# Altium PCB LOAPAY_V6.6.8.PcbDoc (part 2 of 2)
Units mm, origin at the board's own origin, x right, y up, seen from the top; angles counter-clockwise.
Board outline 78.36 x 56.26 mm, 4 copper layers (Top Layer, Layer 1, Layer 2, Bottom Layer), stack 1.021 mm thick; 204 components, 119 nets, 643 pads, 539 vias.
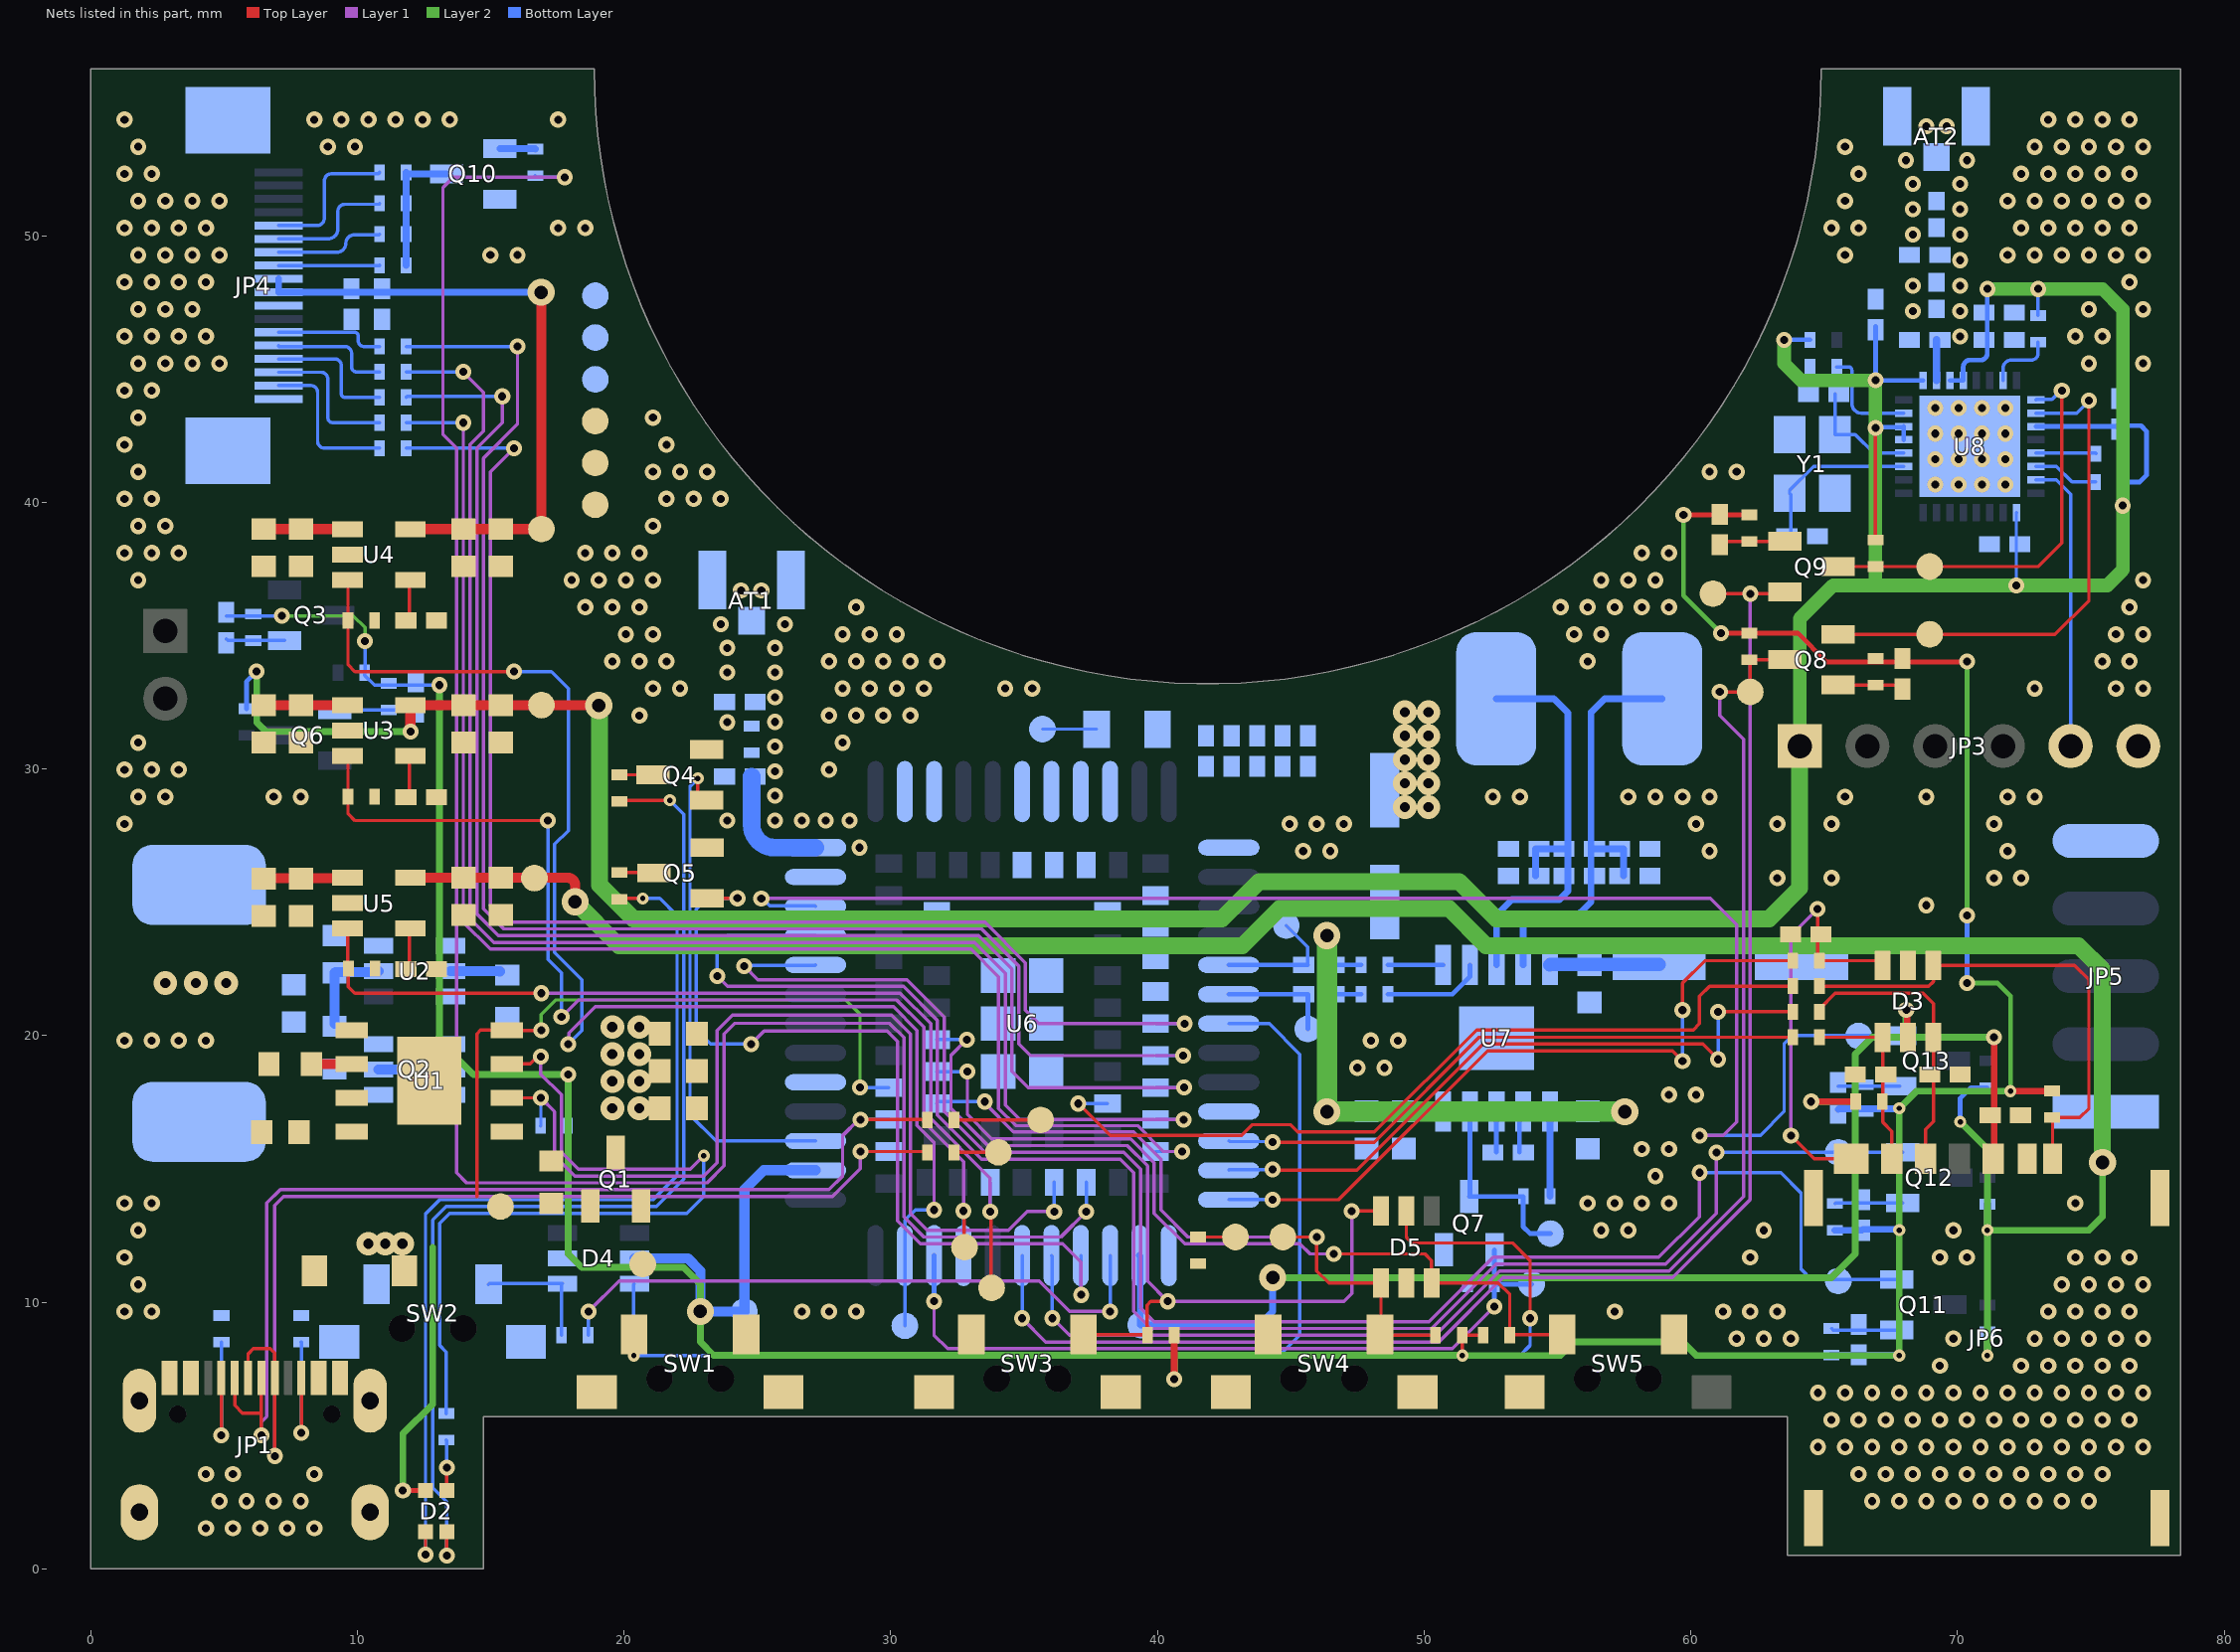
[diagram p4: the nets of this part, all layers, seen from the top]

## Via types
v1: diameter 0.61, hole 0.305, Top Layer to Bottom Layer, tented both sides, 342 vias
v2: diameter 0.6, hole 0.3, Top Layer to Bottom Layer, tented both sides, 151 vias
v3: diameter 0.889, hole 0.381, Top Layer to Bottom Layer, tented both sides, 24 vias
v4: diameter 0.45, hole 0.2, Top Layer to Bottom Layer, tented both sides, 13 vias
v5: diameter 1.016, hole 0.508, Top Layer to Bottom Layer, tented both sides, 9 vias

## Nets (pads, with @x,y where several pads share a name; then routed paths per layer and width w, separated by ;. In a path a pad name is that pad's centre, name@x,y a point inside that pad or via, vN(x,y) a via of type N, cw(c..) or ccw(c..) an arc to the next point about the centre after c; other vN are vias at no path point) (continued)
GND: AT1.2 AT2.2 C1.1 C3.1 C4.1 C5.1 C7.1 C8.1 C9.1 C10.1 C11.1 C12.1 C13.1 C14.1 C15.1 C16.1 C17.1 C18.1 C19.1 C20.1 C21.1 C22.1 C23.1 C24.1 C25.1 C26.1 C27.2 C28.1 C29.1 C32.1 C33.2 C34.2 C35.2 C38.1 C39.1 C40.1 C44.1 C45.1 C46.2 C47.2 C48.1 C49.1 C50.1 C52.1 C53.1 C55.1 C56.1 C57.1 C58.1 C62.2 C63.1 C64.1 C65.1 D3.2 D4.2 D5.2 JP1.A1 JP1.S1 JP3.6 JP4.1 JP4.8 JP4.19 JP4.20 JP5.5 JP6.1 JP6.2 JP6.3 JP6.4 JP6.C5 Q2.1 Q4.2 Q5.2 Q7.2 Q10.2 R2.1 R3.1 R4.1 R5.1 R6.1 R7.1 R8.1 R9.1 R24.2 R25.2 R33.1 R59.1 SW1.1 SW1.3 SW1.4 SW2.1 SW2.3 SW2.4 SW3.2 SW3.3 SW3.4 SW4.2 SW4.3 SW4.4 SW5.1 SW5.4 TP6.1 TP7.1 TP8.1 TP9.1 TP10.1 TP11.1 U1.1 U1.3 U1.9 U3.2 U4.2 U5.2 U6.1 U6.10 U6.27 U6.34 U6.36 U6.37 U6.40 U6.41 U6.45 U6.46 U6.47 U6.48 U6.70 U6.71 U6.72 U6.73 U6.88 U6.89 U6.90 U6.91 U6.92 U6.93 U6.94 U6.95 U7.11 U8.33 Y1.2 Y1.4
  other v1: 4.318,1.524 5.334,1.524 6.35,1.524 7.366,1.524 8.382,1.524 4.826,2.54 5.842,2.54 6.858,2.54 7.874,2.54 66.802,2.54 67.818,2.54 68.834,2.54 69.85,2.54 70.866,2.54 71.882,2.54 72.898,2.54 73.914,2.54 74.93,2.54 4.318,3.556 5.334,3.556 8.382,3.556 66.294,3.556 67.31,3.556 68.326,3.556 69.342,3.556 70.358,3.556 71.374,3.556 72.39,3.556 73.406,3.556 74.422,3.556 75.438,3.556 64.77,4.572 65.786,4.572 66.802,4.572 67.818,4.572 68.834,4.572 69.85,4.572 70.866,4.572 71.882,4.572 72.898,4.572 73.914,4.572 74.93,4.572 75.946,4.572 76.962,4.572 65.278,5.588 66.294,5.588 67.31,5.588 68.326,5.588 69.342,5.588 70.358,5.588 71.374,5.588 72.39,5.588 73.406,5.588 74.422,5.588 75.438,5.588 76.454,5.588 64.77,6.604 65.786,6.604 66.802,6.604 67.818,6.604 68.834,6.604 69.85,6.604 70.866,6.604 71.882,6.604 72.898,6.604 73.914,6.604 74.93,6.604 75.946,6.604 76.962,6.604 69.342,7.62 72.39,7.62 73.406,7.62 74.422,7.62 75.438,7.62 76.454,7.62 61.722,8.636 62.738,8.636 63.754,8.636 69.85,8.636 72.898,8.636 73.914,8.636 74.93,8.636 75.946,8.636 76.962,8.636 1.27,9.652 2.286,9.652 26.67,9.652 27.686,9.652 28.702,9.652 57.15,9.652 61.214,9.652 62.23,9.652 63.246,9.652 73.406,9.652 74.422,9.652 75.438,9.652 76.454,9.652 1.778,10.668 73.914,10.668 74.93,10.668 75.946,10.668 76.962,10.668 1.27,11.684 62.23,11.684 69.342,11.684 70.358,11.684 74.422,11.684 75.438,11.684 76.454,11.684 1.778,12.7 56.642,12.7 57.658,12.7 62.738,12.7 69.85,12.7 1.27,13.716 2.286,13.716 56.134,13.716 57.15,13.716 58.166,13.716 59.182,13.716 74.422,13.716 58.674,14.732 58.166,15.748 59.182,15.748 59.182,17.78 60.198,17.78 47.498,18.796 48.514,18.796 1.27,19.812 2.286,19.812 3.302,19.812 4.318,19.812 48.006,19.812 49.022,19.812 68.834,24.892 63.246,25.908 65.278,25.908 71.374,25.908 72.39,25.908 45.466,26.924 46.482,26.924 60.706,26.924 71.882,26.924 1.27,27.94 44.958,27.94 45.974,27.94 46.99,27.94 60.198,27.94 63.246,27.94 65.278,27.94 71.374,27.94 1.778,28.956 2.794,28.956 6.858,28.956 7.874,28.956 52.578,28.956 53.594,28.956 57.658,28.956 58.674,28.956 59.69,28.956 60.706,28.956 65.786,28.956 68.834,28.956 71.882,28.956 72.898,28.956 1.27,29.972 2.286,29.972 3.302,29.972 27.686,29.972 1.778,30.988 28.194,30.988 20.574,32.004 27.686,32.004 28.702,32.004 29.718,32.004 30.734,32.004 21.082,33.02 22.098,33.02 28.194,33.02 29.21,33.02 30.226,33.02 31.242,33.02 34.29,33.02 35.306,33.02 72.898,33.02 75.946,33.02 76.962,33.02 19.558,34.036 20.574,34.036 21.59,34.036 27.686,34.036 28.702,34.036 29.718,34.036 30.734,34.036 31.75,34.036 56.134,34.036 75.438,34.036 76.454,34.036 20.066,35.052 21.082,35.052 28.194,35.052 29.21,35.052 30.226,35.052 55.626,35.052 56.642,35.052 75.946,35.052 76.962,35.052 18.542,36.068 19.558,36.068 20.574,36.068 28.702,36.068 55.118,36.068 56.134,36.068 57.15,36.068 58.166,36.068 59.182,36.068 76.454,36.068 1.778,37.084 18.034,37.084 19.05,37.084 20.066,37.084 21.082,37.084 56.642,37.084 57.658,37.084 58.674,37.084 76.962,37.084 1.27,38.1 2.286,38.1 3.302,38.1 18.542,38.1 19.558,38.1 20.574,38.1 58.166,38.1 59.182,38.1 1.778,39.116 2.794,39.116 21.082,39.116 1.27,40.132 2.286,40.132 21.59,40.132 22.606,40.132 23.622,40.132 1.778,41.148 21.082,41.148 22.098,41.148 23.114,41.148 60.706,41.148 61.722,41.148 1.27,42.164 21.59,42.164 1.778,43.18 21.082,43.18 1.27,44.196 2.286,44.196 1.778,45.212 2.794,45.212 3.81,45.212 4.826,45.212 74.93,45.212 76.962,45.212 1.27,46.228 2.286,46.228 3.302,46.228 4.318,46.228 74.422,46.228 75.438,46.228 1.778,47.244 2.794,47.244 3.81,47.244 74.93,47.244 76.962,47.244 1.27,48.26 2.286,48.26 3.302,48.26 4.318,48.26 76.454,48.26 1.778,49.276 2.794,49.276 3.81,49.276 4.826,49.276 14.986,49.276 16.002,49.276 65.786,49.276 71.882,49.276 72.898,49.276 73.914,49.276 74.93,49.276 75.946,49.276 76.962,49.276 1.27,50.292 2.286,50.292 3.302,50.292 4.318,50.292 17.526,50.292 18.542,50.292 65.278,50.292 66.294,50.292 72.39,50.292 73.406,50.292 74.422,50.292 75.438,50.292 76.454,50.292 1.778,51.308 2.794,51.308 3.81,51.308 4.826,51.308 65.786,51.308 71.882,51.308 72.898,51.308 73.914,51.308 74.93,51.308 75.946,51.308 76.962,51.308 1.27,52.324 2.286,52.324 66.294,52.324 72.39,52.324 73.406,52.324 74.422,52.324 75.438,52.324 76.454,52.324 1.778,53.34 8.89,53.34 9.906,53.34 65.786,53.34 72.898,53.34 73.914,53.34 74.93,53.34 75.946,53.34 76.962,53.34 1.27,54.356 8.382,54.356 9.398,54.356 10.414,54.356 11.43,54.356 12.446,54.356 13.462,54.356 17.526,54.356 73.406,54.356 74.422,54.356 75.438,54.356 76.454,54.356
  other v2: 28.829,27.051 23.876,28.067 25.654,28.067 26.67,28.067 27.559,28.067 28.448,28.067 25.654,28.992 25.654,29.918 25.654,30.843 23.876,31.75 25.654,31.768 25.654,32.693 23.876,33.619 25.654,33.619 23.876,34.544 25.654,34.544 23.622,35.433 26.035,35.433 24.384,36.703 25.146,36.703 69.161,40.666 70.042,40.666 70.922,40.666 71.803,40.666 69.161,41.622 70.042,41.622 70.922,41.622 71.803,41.622 69.161,42.579 70.042,42.579 70.922,42.579 71.803,42.579 69.161,43.536 70.042,43.536 70.922,43.536 71.803,43.536 70.104,46.228 68.326,47.18 70.104,47.18 68.326,48.133 70.104,48.133 70.104,49.085 68.326,50.038 70.104,50.038 68.326,50.99 70.104,50.99 68.326,51.943 70.104,51.943 68.072,52.832 70.358,52.832 68.834,54.102 69.596,54.102
GPIO0: JP3.5 U8.15 | length 11
  Bottom Layer w0.127: U8.15@72.943,40.849 73.705,40.849 74.244,40.31 JP3.5@74.244,30.861
GPIO2: R32.1 U8.14 | length 2.5
  Bottom Layer w0.127: U8.14@72.943,41.349 73.713,41.349 74.295,40.767 R32.1@75.184,40.767
GPIO15: R33.2 U8.13 | length 2.3
  Bottom Layer w0.127: U8.13@72.943,41.849 75.173,41.849 cw(c75.173,41.831) R33.2@75.192,41.831
NET_STATUS: Q5.1 U6.16 | length 32.5
  Top Layer w0.127: Q5.1@23.114,25.151 v2(24.252,25.151)
  Layer 1 w0.127: v2(24.765,19.685) 25.249,20.169 29.869,20.169 30.251,19.787 30.251,13.056 31.115,12.192 36.449,12.192 37.135,11.506 v2(37.135,10.275)
  Bottom Layer w0.127: v2(24.252,25.151) 23.114,25.151 22.7,24.737 22.7,20.226 23.241,19.685 v2(24.765,19.685) ; U6.16@37.128,11.751 37.132,11.747 37.132,10.279 v2(37.135,10.275)
NetAT1_1: AT1.1 C29.2 R11.2
NetAT2_1: AT2.1 L1.1
NetC2_2: C2.2 R1.1 U2.5 | length 3.6
  Bottom Layer w0.381: R1.1@9.144,20.447 C2.2@9.144,22.352 9.177,22.385 10.762,22.385 U2.5@10.795,22.418
NetC11_2: C11.2 U3.4 | length 1.6
  Top Layer w0.127: C11.2@11.951,28.943 11.951,30.464 U3.4@11.984,30.497
NetC16_2: C16.2 U4.4 | length 1.5
  Top Layer w0.127: C16.2@11.951,35.572 11.951,37.062 U4.4@11.984,37.095
NetC21_2: C21.2 U5.4 | length 1.5
  Top Layer w0.127: C21.2@11.948,22.491 11.948,23.984 U5.4@11.984,24.02
NetC28_2: C28.2 R11.1 U6.35 | length 4.7
  Bottom Layer w0.66: C28.2@24.781,29.718 24.781,27.924 ccw(c25.654,27.924) 25.654,27.051 U6.35@27.178,27.051
NetC30_1: C30.1 Q3.1 R14.1 | length 2.2
  Bottom Layer w0.127: C30.1@5.08,34.882 5.141,34.821 Q3.1@7.265,34.821
NetC31_1: C31.1 Q6.1 R20.1 | length 3.1
  Bottom Layer w0.127: Q6.1@9.144,32.215 R20.1@11.176,32.215 12.124,32.215 C31.1@12.192,32.283
NetC32_2: C32.2 C33.1 U7.10 | length 4.1
  Bottom Layer w0.508: U7.10@54.718,22.654 54.73,22.666 58.802,22.666 C33.1@58.814,22.677
NetC36_1: C36.1 TP20.1 U6.6 | length 4.3
  Bottom Layer w0.178: U6.6@42.678,21.551 45.634,21.551 45.639,21.546 TP20.1@45.639,20.25
NetC36_2: C36.2 R21.1 | length 1.1
  Bottom Layer w0.178: C36.2@46.498,21.551 R21.1@47.641,21.551
NetC37_1: C37.1 U7.2 | length 1.6
  Bottom Layer w0.178: C37.1@53.572,15.621 53.572,17.008 U7.2@53.718,17.154
NetC37_2: C37.2 U7.3 | length 1.5
  Bottom Layer w0.178: C37.2@52.708,15.621 52.708,17.144 U7.3@52.718,17.154
NetC43_1: C43.1 TP22.1 U6.5 | length 4.8
  Bottom Layer w0.127: TP22.1@44.831,24.13 45.634,23.327 C43.1@45.634,22.651
  Bottom Layer w0.178: U6.5@42.678,22.651 C43.1@45.634,22.651
NetC43_2: C43.2 R22.1 | length 1.1
  Bottom Layer w0.178: C43.2@46.498,22.651 R22.1@47.641,22.651
NetC46_1: C46.1 U8.28 Y1.1 | length 4.4
  Bottom Layer w0.127: C46.1@65.405,44.069 Y1.1@65.405,42.545 66.167,42.545 66.863,41.849 U8.28@67.987,41.849
NetC47_1: C47.1 U8.27 Y1.3 | length 6.4
  Bottom Layer w0.127: C47.1@63.754,38.735 63.754,40.296 Y1.3@63.705,40.345 63.705,40.445 64.609,41.349 U8.27@67.987,41.349
NetC51_1: C51.1 Q8.1 R27.1 | length 2.4
  Top Layer w0.127: Q8.1@65.532,33.152 65.537,33.147 R27.1@66.929,33.147 C51.1@67.945,33.147
NetC52_2: C52.2 L1.2 L2.1
NetC53_2: C53.2 L2.2 U8.2 | length 1.5
  Bottom Layer w0.28: U8.2@69.215,44.577 C53.2@69.215,46.101
NetC54_1: C54.1 Q9.1 R31.1 | length 2.4
  Top Layer w0.127: C54.1@61.087,38.557 61.102,38.542 Q9.1@63.526,38.542
NetC59_1: C59.1 Q11.1 R40.1 | length 2.5
  Bottom Layer w0.127: R40.1@65.278,9.017 65.339,8.956 Q11.1@67.723,8.956
NetC60_1: C60.1 Q12.1 R45.1 | length 2.5
  Bottom Layer w0.127: R45.1@65.405,13.7 65.426,13.721 Q12.1@67.945,13.721
NetC61_1: C61.1 Q13.1 R47.1 | length 2.3
  Bottom Layer w0.127: C61.1@65.526,18.093 65.533,18.1 Q13.1@67.844,18.1
NetC63_2: C63.2 D3.6 JP6.C2 R51.2 | length 10.7
  Top Layer w0.127: R51.2@64.824,20.896 64.824,20.996 65.418,21.59 68.707,21.59 69.096,21.201 D3.6@69.096,19.939 69.096,16.772 68.807,16.483 JP6.C2@68.807,15.385
NetC64_2: C64.2 D3.3 JP6.C3 R52.2 | length 15.9
  Top Layer w0.127: v2(63.754,16.256) 64.625,15.385 JP6.C3@66.017,15.385 ; C64.2@64.752,23.787 64.752,22.881 R52.2@64.824,22.809 67.026,22.809 D3.3@67.196,22.639 ; C64.2@64.756,23.791 v2(64.756,24.751)
  Layer 1 w0.127: v2(63.754,16.256) 63.754,23.749 v2(64.756,24.751)
NetC65_2: C65.2 D3.4 JP6.C7 R49.1 R53.2 | length 7.1
  Top Layer w0.127: R53.2@64.824,19.939 D3.4@67.196,19.939 67.196,16.751 67.537,16.41 JP6.C7@67.537,15.385
NetD2_1: D2.1 R16.2 | length 1.9
  Top Layer w0.127: D2.1@13.354,2.942 v2(13.354,3.791)
  Bottom Layer w0.127: R16.2@13.335,4.826 13.354,4.807 v2(13.354,3.791)
NetD2_2: D2.2 R17.2 | length 40.2
  Top Layer w0.127: v2@13.354,0.4 v2(13.354,0.5) D2.2@13.354,1.392 ; R17.2@19.821,28.782 19.868,28.829 v4(21.717,28.829)
  Bottom Layer w0.127: v2(13.354,0.5) 13.354,2.521 12.827,3.048 12.827,13.081 13.335,13.589 21.209,13.589 22.243,14.623 22.243,28.303 v4(21.717,28.829)
NetD2_4: D2.4 R18.2 | length 35.9
  Top Layer w0.127: v2(12.554,0.527) D2.4@12.554,1.392 ; R18.2@19.821,25.115 19.852,25.146 v4(20.701,25.146)
  Bottom Layer w0.127: v2(12.554,0.527) 12.554,13.316 13.081,13.843 21.082,13.843 21.988,14.749 21.988,24.494 21.336,25.146 v4(20.701,25.146)
NetD3_1: D3.1 JP6.CD R50.1 R54.2 | length 18.9
  Top Layer w0.127: R54.2@64.824,21.852 68.92,21.852 69.096,22.028 D3.1@69.096,22.639 74.389,22.639 74.93,22.098 74.93,17.272 74.582,16.924 R50.1@73.557,16.924 73.567,16.914 JP6.CD@73.567,15.385
NetD4_1: D4.1 R38.1 SW2.2 | length 4.7
  Bottom Layer w0.127: SW2.2@14.92,10.671 14.947,10.698 D4.1@17.685,10.698 17.653,10.666 R38.1@17.653,8.763
NetD4_6: D4.6 SW1.2 U6.7 | length 42.5
  Top Layer w0.127: v4(20.363,8.001) 20.372,8.01 SW1.2@20.372,8.788
  Bottom Layer w0.127: D4.6@20.385,10.698 20.363,10.676 v4(20.363,8.001) 44.577,8.001 45.339,8.763 45.339,19.304 44.194,20.449 42.68,20.449 U6.7@42.678,20.451
NetD5_1: D5.1 R43.1 SW4.1 TP31.1 U6.82 | length 26.7
  Top Layer w0.127: TP31.1@44.704,12.446 v2(45.974,12.446) 45.974,11.176 46.431,10.719 D5.1@48.383,10.719 48.383,8.821 SW4.1@48.35,8.788 48.376,8.763 R43.1@50.427,8.763
  Layer 1 w0.127: v2(33.528,17.526) 33.528,17.461 34.606,16.383 39.116,16.383 40.132,15.367 40.132,13.462 41.148,12.446 v2(45.974,12.446)
  Bottom Layer w0.127: U6.82@31.728,17.451 31.803,17.526 v2(33.528,17.526)
NetD5_3: D5.3 R60.1 SW5.2 U6.83 | length 31
  Top Layer w0.127: v2(46.609,11.811) 50.038,11.811 50.282,11.567 D5.3@50.282,10.719 52.781,10.719 53.213,10.287 R60.1@53.213,8.763 53.238,8.788 SW5.2@55.175,8.788
  Layer 1 w0.127: v2(32.875,18.651) 32.875,17.036 33.782,16.129 38.989,16.129 39.878,15.24 39.878,13.335 41.021,12.192 45.339,12.192 45.72,11.811 v2(46.609,11.811)
  Bottom Layer w0.127: U6.83@31.728,18.651 v2(32.875,18.651)
NetD5_6: D5.6 R42.1 SW3.1 U6.84 | length 33.1
  Top Layer w0.127: SW3.1@37.225,8.788 39.607,8.788 39.607,9.889 39.751,10.033 v2(40.386,10.033) ; v2(47.287,13.419) D5.6@48.383,13.419
  Layer 1 w0.127: v2(32.854,19.851) 32.258,19.255 32.258,17.263 33.646,15.875 38.862,15.875 39.624,15.113 39.624,10.795 v2(40.386,10.033) 46.99,10.033 47.287,10.33 v2(47.287,13.419)
  Bottom Layer w0.127: U6.84@31.728,19.851 v2(32.854,19.851)
NetJP1_A5: JP1.A5 R7.2 | length 5.7
  Top Layer w0.127: v2(4.9,5.006) JP1.A5@4.9,7.161
  Bottom Layer w0.127: v2(4.9,5.006) 4.9,8.503 R7.2@4.901,8.504
NetJP1_A6: JP1.A6 JP1.B6 R12.2 U6.59 | length 42.1
  Top Layer w0.127: JP1.A6@5.9,7.161 5.9,8.059 6.096,8.255 6.731,8.255 6.9,8.086 JP1.B6@6.9,7.161 v2(6.9,4.233) ; v2(28.859,15.651) 31.339,15.651 R12.2@31.369,15.621
  Layer 1 w0.127: v2(6.9,4.233) 6.9,13.631 7.239,13.97 27.813,13.97 28.859,15.016 v2(28.859,15.651)
  Bottom Layer w0.127: v2(28.859,15.651) U6.59@29.928,15.651
NetJP1_A7: JP1.A7 JP1.B7 R13.2 U6.60 | length 41.1
  Top Layer w0.127: JP1.B7@5.4,7.161 5.4,6.131 5.689,5.842 6.4,5.842 ; v2(6.4,5.003) 6.4,5.842 ; JP1.A7@6.4,7.161 6.4,5.842 ; v2(28.869,16.851) 31.355,16.851 R13.2@31.369,16.837
  Layer 1 w0.127: v2(6.4,5.003) 6.4,5.511 6.604,5.715 6.604,13.716 7.112,14.224 27.686,14.224 28.194,14.732 28.194,16.249 28.796,16.851 v2(28.869,16.851)
  Bottom Layer w0.127: v2(28.869,16.851) U6.60@29.928,16.851
NetJP1_B5: JP1.B5 R6.2 | length 5.5
  Top Layer w0.127: v2(7.9,5.106) JP1.B5@7.9,7.161
  Bottom Layer w0.127: R6.2@7.891,8.504 7.9,8.496 v2(7.9,5.106)
NetJP4_2: JP4.2 R55.2 | length 5.9
  Bottom Layer w0.127: JP4.2@7.046,44.383 8.255,44.383 cw(c8.255,44.129) 8.509,44.129 8.509,42.291 ccw(c8.763,42.291) 8.763,42.037 R55.2@10.828,42.037
NetJP4_3: JP4.3 R61.2 | length 5.5
  Bottom Layer w0.127: JP4.3@7.046,44.883 8.636,44.883 cw(c8.636,44.629) 8.89,44.629 8.89,43.18 ccw(c9.08,43.18) 9.08,42.989 R61.2@10.828,42.989
NetJP4_4: JP4.4 R56.2 | length 5.1
  Bottom Layer w0.127: JP4.4@7.046,45.383 9.144,45.383 cw(c9.144,45.129) 9.398,45.129 9.398,44.069 ccw(c9.525,44.069) 9.525,43.942 R56.2@10.828,43.942
NetJP4_5: JP4.5 R57.2 | length 4.6
  Bottom Layer w0.127: JP4.5@7.046,45.883 ccw(c7.082,45.883) 7.082,45.847 9.525,45.847 cw(c9.525,45.593) 9.779,45.593 9.779,45.085 ccw(c9.97,45.085) 9.97,44.895 R57.2@10.828,44.895
NetJP4_6: JP4.6 R58.2 | length 4.2
  Bottom Layer w0.127: JP4.6@7.046,46.383 9.878,46.383 cw(c9.878,46.228) 10.033,46.228 10.033,46.054 ccw(c10.24,46.054) 10.24,45.847 R58.2@10.828,45.847
NetJP4_11: JP4.11 R34.2 | length 3.8
  Bottom Layer w0.127: JP4.11@7.046,48.883 10.828,48.883 R34.2@10.828,48.895
NetJP4_12: JP4.12 R35.2 | length 4.2
  Bottom Layer w0.127: JP4.12@7.046,49.383 9.231,49.383 ccw(c9.231,49.721) 9.569,49.721 cw(c9.886,49.721) 9.886,50.038 10.808,50.038 ccw(c10.808,50.058) R35.2@10.828,50.058
NetJP4_13: JP4.13 R36.2 | length 4.8
  Bottom Layer w0.127: JP4.13@7.046,49.883 8.89,49.883 ccw(c8.89,50.264) 9.271,50.264 9.271,50.927 cw(c9.525,50.927) 9.525,51.181 10.789,51.181 ccw(c10.789,51.22) R36.2@10.828,51.22
NetJP4_14: JP4.14 R37.2 | length 5.5
  Bottom Layer w0.127: JP4.14@7.046,50.383 8.473,50.383 ccw(c8.473,50.673) 8.763,50.673 8.763,52.07 cw(c9.017,52.07) 9.017,52.324 10.769,52.324 ccw(c10.769,52.383) R37.2@10.828,52.383
NetQ2_2: Q2.2 Q2.5 | length 2.7
  Bottom Layer w0.381: Q2.2@10.795,18.73 Q2.5@13.495,18.73
NetQ2_4: Q2.4 U2.1
NetQ2_6: Q2.6 U2.3
NetQ4_3: Q4.3 R17.1 | length 1.3
  Top Layer w0.127: R17.1@19.821,29.782 Q4.3@21.091,29.782
NetQ5_3: Q5.3 R18.1 | length 1.3
  Top Layer w0.127: R18.1@19.821,26.115 21.1,26.115 Q5.3@21.114,26.101
NetQ7_1: Q7.1 R24.1 TP23.1 U6.21 | length 28.4
  Layer 1 w0.127: v2(31.623,10.033) 31.623,8.763 32.131,8.255 51.054,8.255 v2(52.629,9.83)
  Bottom Layer w0.178: v2(31.623,10.033) 31.623,11.746 U6.21@31.628,11.751 ; v2(52.629,9.83) R24.1@52.629,10.676 ; Q7.1@52.639,11.964 52.629,11.954 R24.1@52.629,10.676 ; TP23.1@54.033,10.676 R24.1@52.629,10.676
NetQ8_3: Q8.3 R28.1 TP25.1 U6.17 | length 53.7
  Top Layer w0.127: v2(61.087,32.893) TP25.1@62.23,32.893 62.23,34.063 R28.1@62.195,34.098 62.198,34.102 Q8.3@63.532,34.102